# Altium PCB OLD_DIOT_temperature_logger.PcbDoc (part 1 of 6)
Units mm, origin at the board's own origin, x right, y up, seen from the top; angles counter-clockwise.
Board outline 222.54 x 100 mm, 4 copper layers (TOP, MID1, MID2, BOT), stack 1.55 mm thick; 631 components, 598 nets, 2471 pads, 1426 vias.
Unrouted connection lines stored in the file: 306.
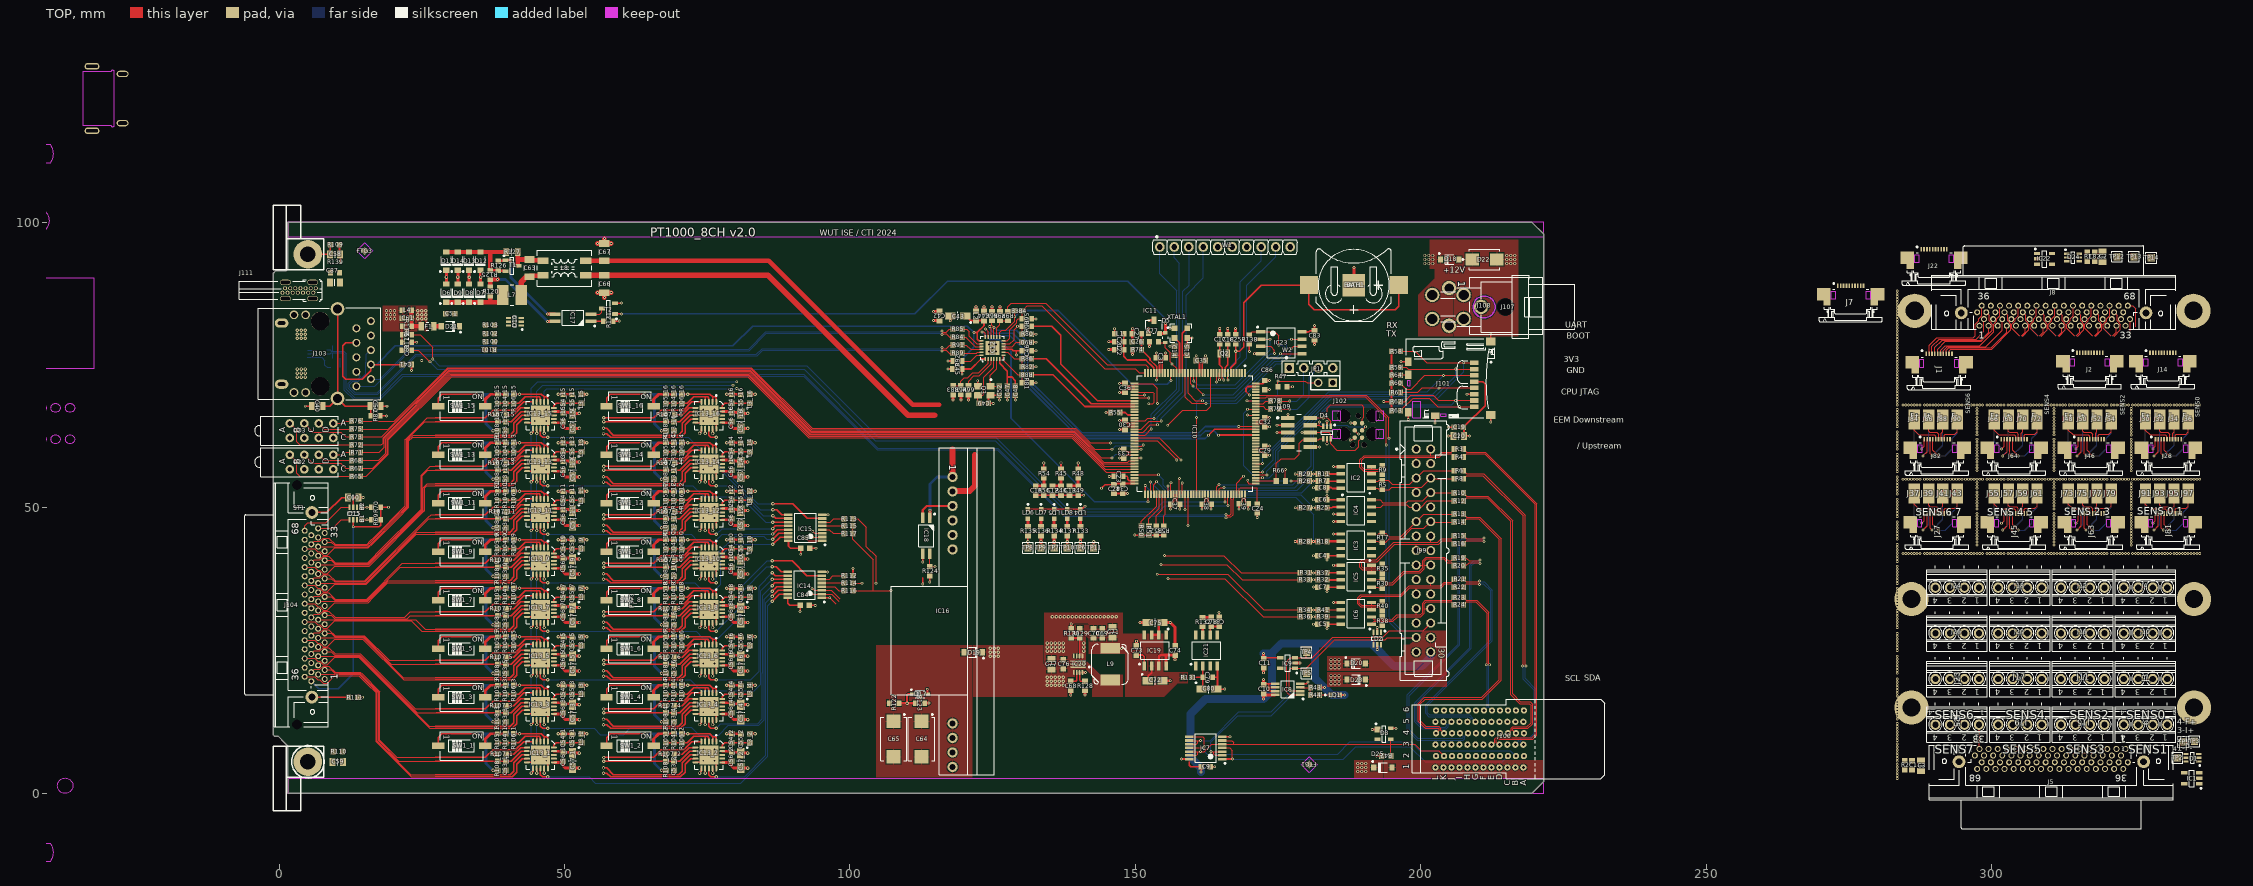
[diagram p0: TOP view]
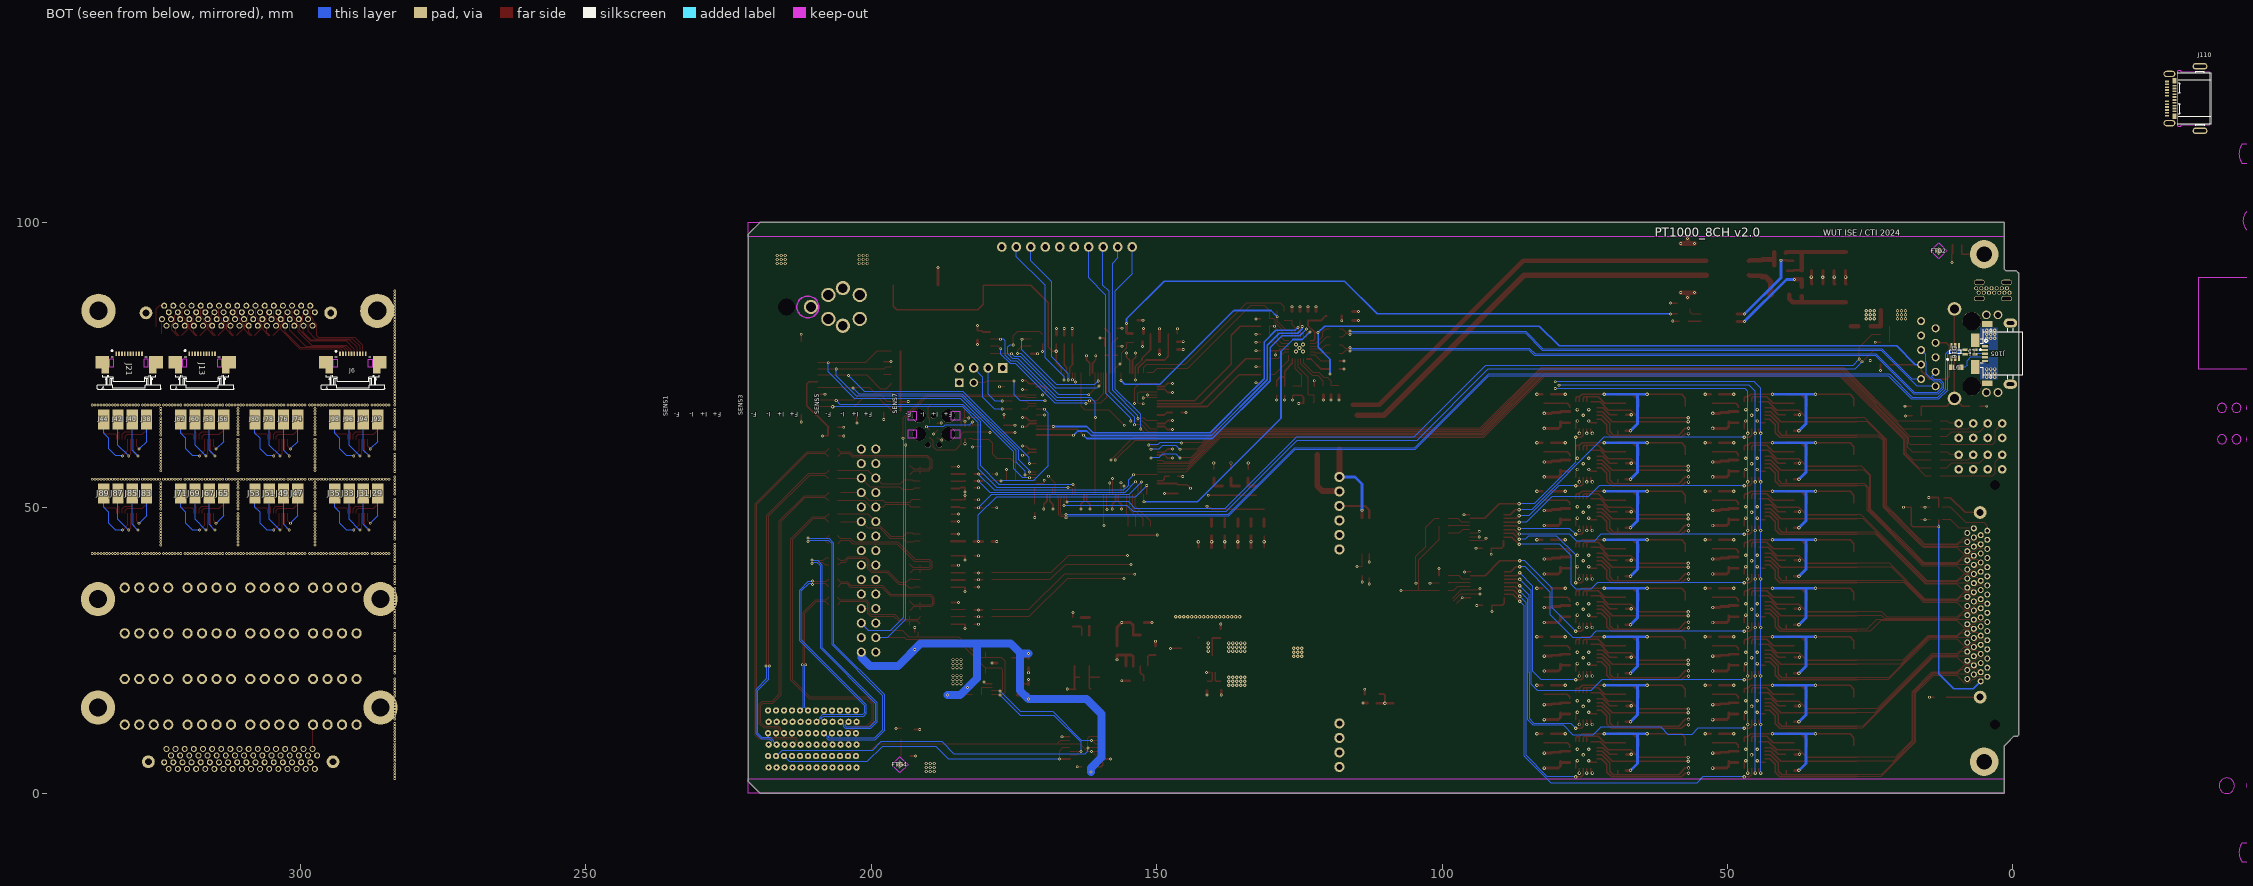
[diagram p1: BOT view, seen from below]
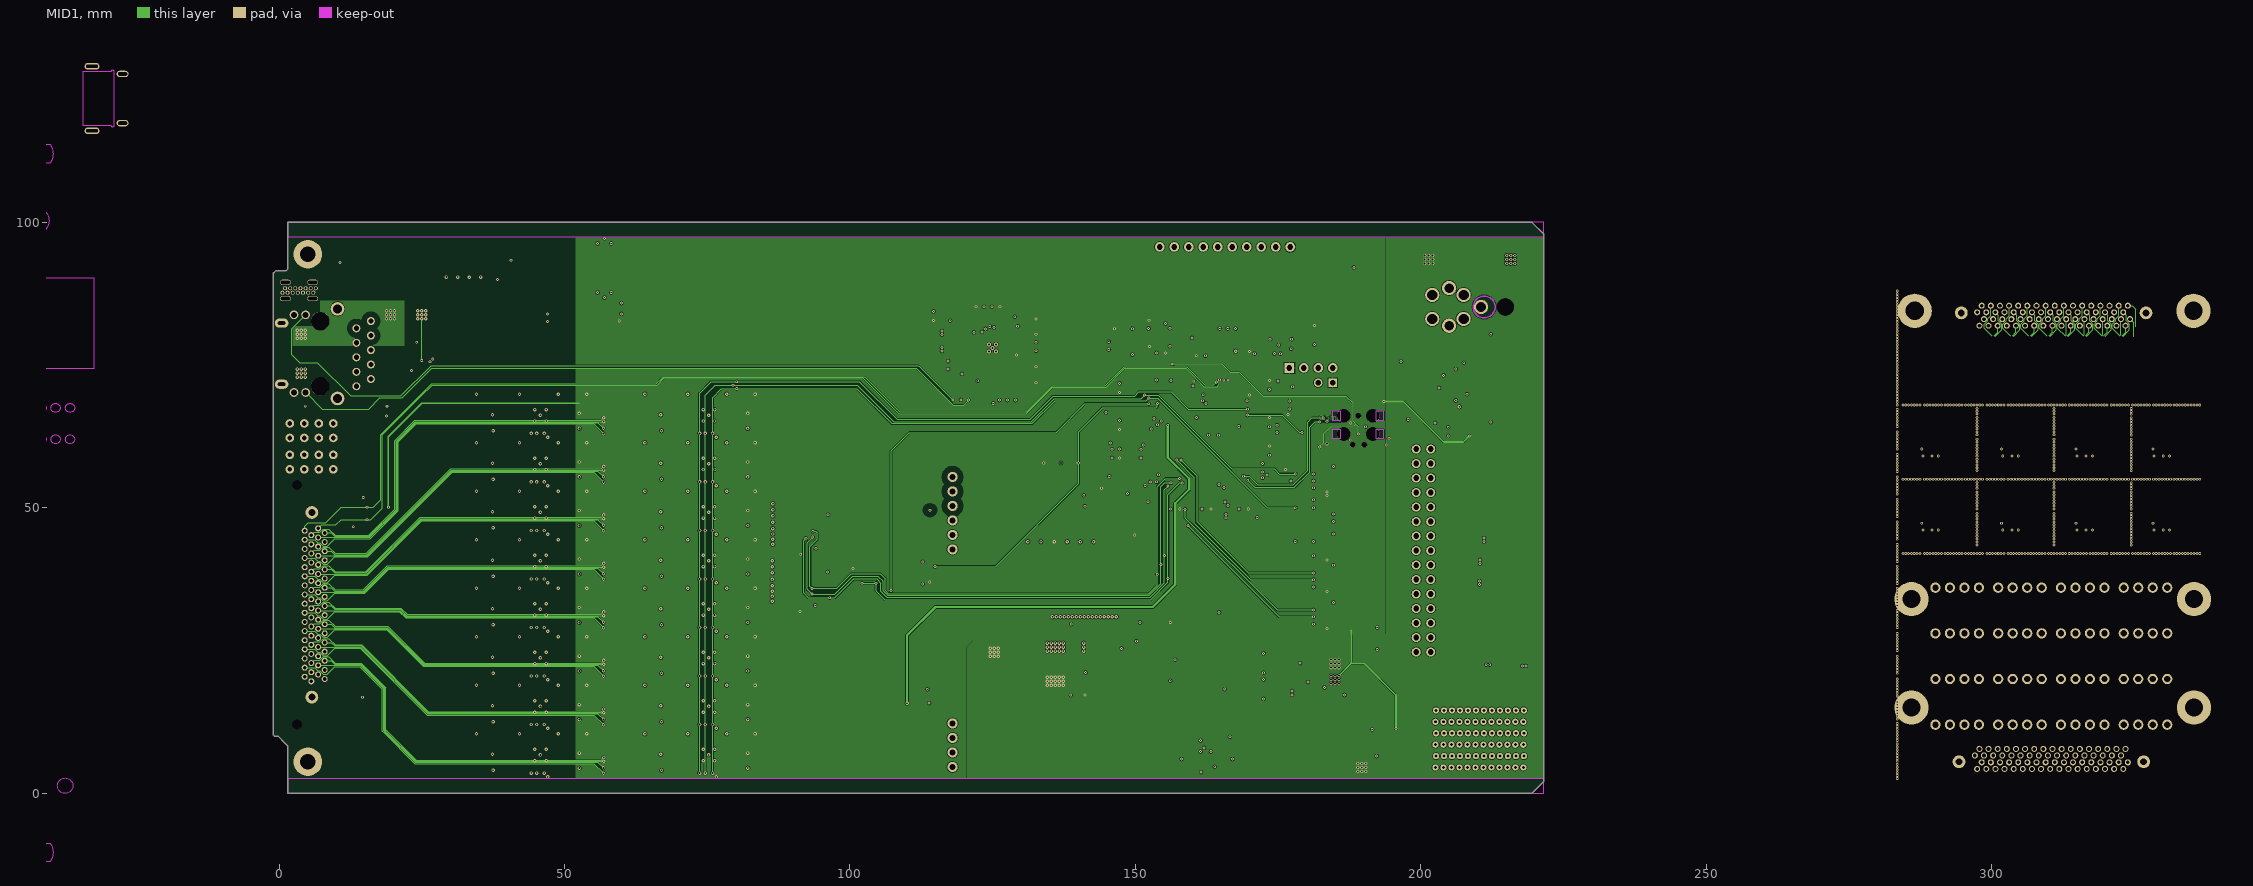
[diagram p2: MID1]
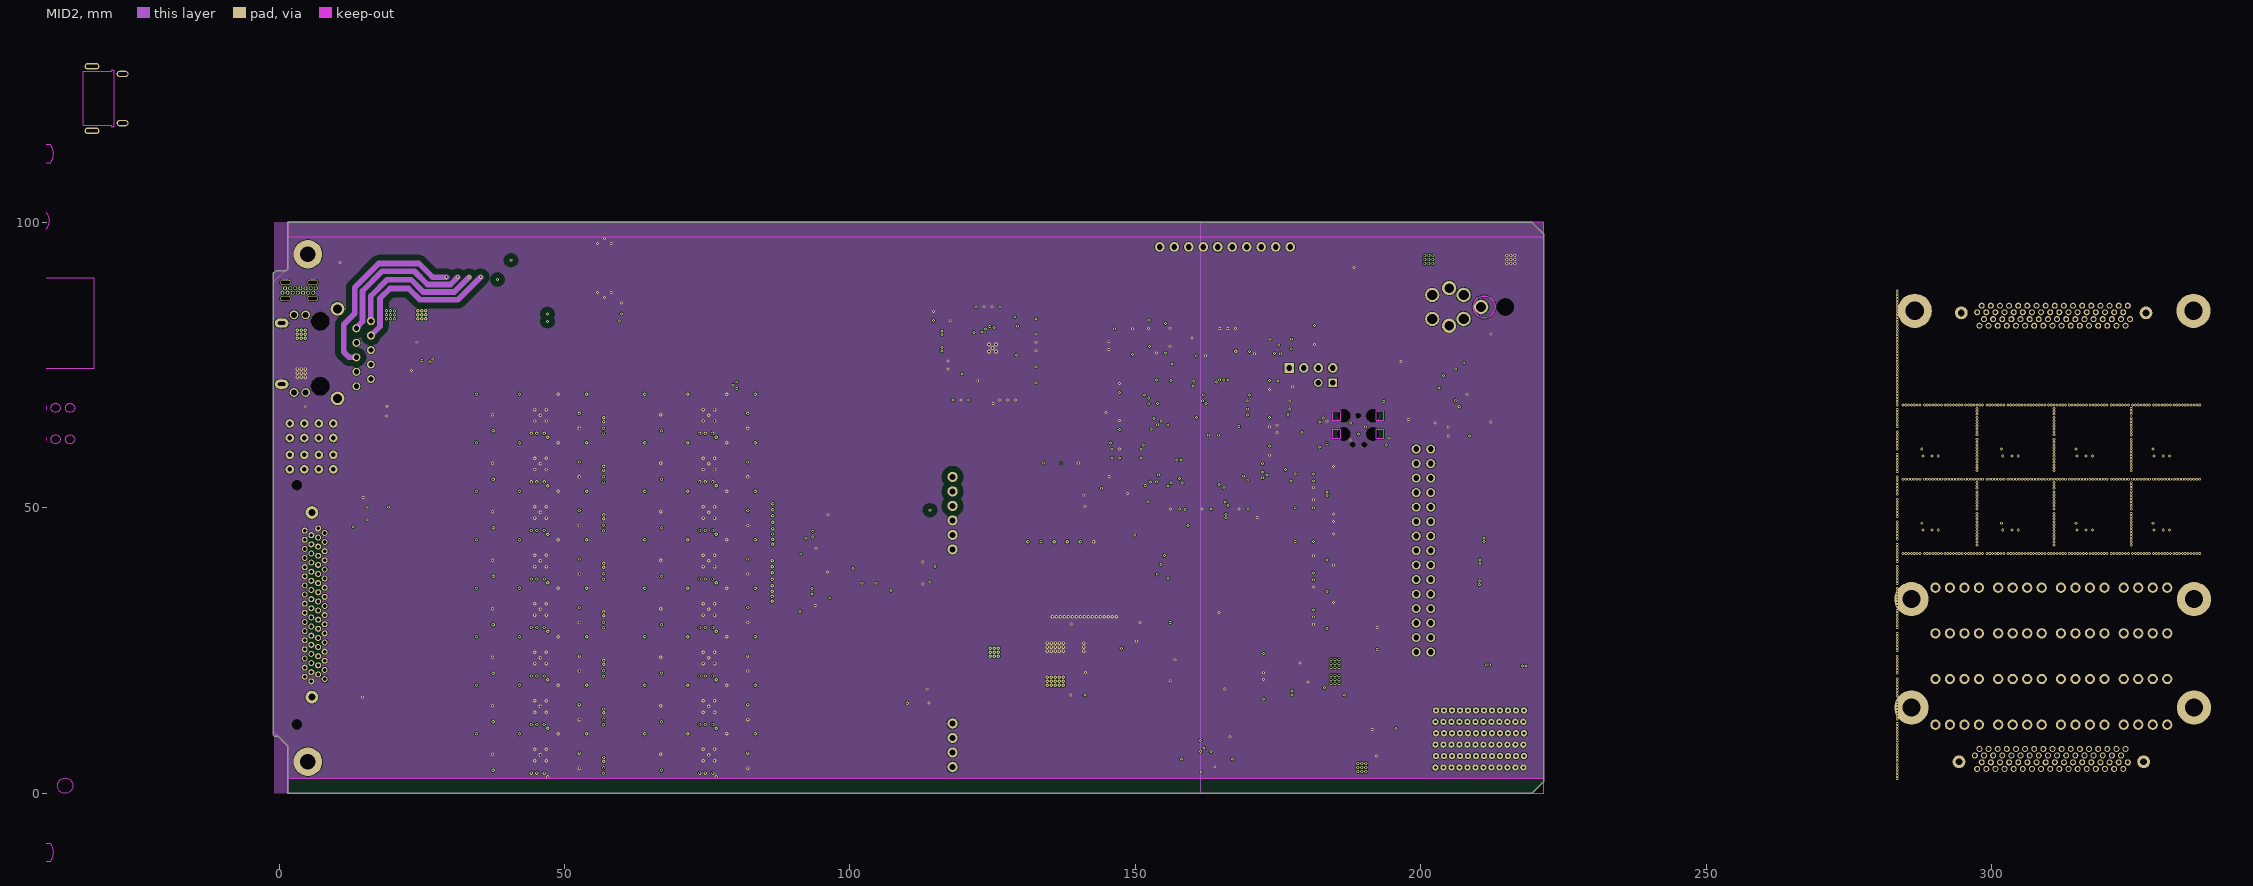
[diagram p3: MID2]

## Layer stack, top to bottom
TopSolder: solder mask 0.01, Solder Resist, Dk 3.5
TOP: signal copper 0.035
Dielectric1: prepreg 0.18, FR-4, Dk 4.8
MID1: signal copper 0.035
Dielectric2: core 1.05, Core-042, Dk 4.6
MID2: signal copper 0.035
Dielectric3: prepreg 0.18, FR-4, Dk 4.8
BOT: signal copper 0.035
BottomSolder: solder mask 0.01, Solder Resist, Dk 3.5

## Board outline
-1,10.2 -1,91.1 -0.6,91.5 1.2,91.5 1.5,91.8 1.5,100 219.539,100 221.539,98 221.539,2 219.539,0 1.5,0 1.5,8.3 1.1,8.7 -0.2,10 -0.8,10
cut-out: -49.69,77.83 cw(c-49.69,79.13) -50.99,79.13 -50.99,85.47 cw(c-49.69,85.47) -49.69,86.77 -47.7,86.77 -47.7,77.83
cut-out: -42.54,98.062 cw(c-42.54,100.312) -44.79,100.312 cw(c-42.54,100.312) -42.54,102.562 cw(c-42.54,100.312) -40.29,100.312 cw(c-42.54,100.312)
cut-out: -44.995,110.362 cw(c-42.55,112.012) -44.995,113.662 -40.105,113.662 cw(c-42.55,112.012) -40.105,110.362
cut-out: -44.24,61.2 cw(c-44.24,62) -45.04,62 cw(c-44.24,62) -44.24,62.8 cw(c-44.24,62) -43.44,62 cw(c-44.24,62)
cut-out: -41.7,61.2 cw(c-41.7,62) -42.5,62 cw(c-41.7,62) -41.7,62.8 cw(c-41.7,62) -40.9,62 cw(c-41.7,62)
cut-out: -39.16,61.2 cw(c-39.16,62) -39.96,62 cw(c-39.16,62) -39.16,62.8 cw(c-39.16,62) -38.36,62 cw(c-39.16,62)
cut-out: -36.62,61.2 cw(c-36.62,62) -37.42,62 cw(c-36.62,62) -36.62,62.8 cw(c-36.62,62) -35.82,62 cw(c-36.62,62)
cut-out: -44.24,66.7 cw(c-44.24,67.5) -45.04,67.5 cw(c-44.24,67.5) -44.24,68.3 cw(c-44.24,67.5) -43.44,67.5 cw(c-44.24,67.5)
cut-out: -41.7,66.7 cw(c-41.7,67.5) -42.5,67.5 cw(c-41.7,67.5) -41.7,68.3 cw(c-41.7,67.5) -40.9,67.5 cw(c-41.7,67.5)
cut-out: -39.16,66.7 cw(c-39.16,67.5) -39.96,67.5 cw(c-39.16,67.5) -39.16,68.3 cw(c-39.16,67.5) -38.36,67.5 cw(c-39.16,67.5)
cut-out: -36.62,66.7 cw(c-36.62,67.5) -37.42,67.5 cw(c-36.62,67.5) -36.62,68.3 cw(c-36.62,67.5) -35.82,67.5 cw(c-36.62,67.5)
cut-out: -43.694,1.312 ccw(c-42.344,1.312) -42.344,-0.038 ccw(c-42.344,1.312) -40.994,1.312 ccw(c-42.344,1.312) -42.344,2.662 ccw(c-42.344,1.312)
cut-out: -44.995,-12.038 cw(c-42.55,-10.388) -44.995,-8.738 -40.105,-8.738 cw(c-42.55,-10.388) -40.105,-12.038
cut-out: -37.47,-0.038 cw(c-37.47,1.312) -38.82,1.312 cw(c-37.47,1.312) -37.47,2.662 cw(c-37.47,1.312) -36.12,1.312 cw(c-37.47,1.312)
cut-out: -47.63,-0.038 cw(c-47.63,1.312) -48.98,1.312 cw(c-47.63,1.312) -47.63,2.662 cw(c-47.63,1.312) -46.28,1.312 cw(c-47.63,1.312)
cut-out: -46.094,74.337 -46.094,90.337 -32.494,90.337 -32.494,74.337

## Design rules (kind name [scope] priority, off if disabled: settings)
AcuteAngle [All] p1: minimum=6.00000000000000E+0001 checktracksonly=FALSE
Clearance Clearance_HV [InNetClass('HV') vs not InNetClass('HV')] p1: gap=1 ignorepadtopadclearanceinfootprint=FALSE
Clearance Clearance_balancing [InNamedPolygon('balancing')] p2: gap=1.27 ignorepadtopadclearanceinfootprint=FALSE except(0.635: Via-Via Via-Fill Via-Poly Via-Region Via-Text Via-Hole)
Clearance Clearance_DIFF [(InDifferentialPairClass('All Differential Pairs')and IsTrack ) vs (InDifferentialPairClass('All Differential Pairs') and IsTrack  )] p3 off: gap=0.508 ignorepadtopadclearanceinfootprint=FALSE except(0: Arc-Hole Track-Hole SMDPad-Hole THPad-Hole Via-Hole Fill-Hole Poly-Hole Region-Hole Text-Hole; 0.127: SMDPad-SMDPad SMDPad-THPad SMDPad-Via SMDPad-Fill SMDPad-Poly SMDPad-Region SMDPad-Text THPad-THPad THPad-Via THPad-Fill THPad-Poly THPad-Region THPad-Text Via-Via Via-Fill Via-Poly Via-Region Via-Text)
Clearance [All] p4: gap=0.102 ignorepadtopadclearanceinfootprint=FALSE except(0: Arc-Hole Track-Hole SMDPad-Hole THPad-Hole Via-Hole Fill-Hole Poly-Hole Region-Hole Text-Hole)
ComponentClearance [All] p1: gap=0 collisioncheckmode=3 verticalgap=0 showdistances=FALSE
DiffPairsRouting [All] p1: maxlimit=0.152 minlimit=0.127 mostfreqgap=0.152 toplayer_minwidth=0.127 toplayer_maxwidth=0.17 toplayer_prefwidth=0.152 midlayer1_minwidth=0.127 midlayer1_maxwidth=0.152 midlayer1_prefwidth=0.152 midlayer2_minwidth=0.127 midlayer2_maxwidth=0.152 midlayer2_prefwidth=0.152 bottomlayer_minwidth=0.127 bottomlayer_maxwidth=0.17 bottomlayer_prefwidth=0.152 maxuncoupledlength=12.7
FabricationTestPointUsage TestPointUsage [All] p1: valid=0 allowmultiple=FALSE
FabricationTestpoint Testpoint [All] p1: side=3 testpointundercomponent=TRUE minsize=1.016 maxsize=2.54 preferedsize=1.524 minholesize=0.508 maxholesize=1.016 preferedholesize=0.813 testpointgrid=0.025 allowsidetop=TRUE allowsidebottom=TRUE usegrid=TRUE gridtolerance=0
Height [All] p1: minheight=0 maxheight=40 prefheight=40
HoleSize [All] p1: absolutevalues=TRUE maxlimit=3.81 minlimit=0.025 maxpercent=80.000 minpercent=20.000
HoleToHoleClearance [All] p1: gap=0.025 allowstackedmicrovias=TRUE
MatchedLengths "Schematic Matched Net Lengths_3" [InNet('PHY_TD_P')] p1: tolerance=2.54 checknetsindiffpair=TRUE checkdiffpairvsdiffpair=FALSE checkxsignals=FALSE checkothers=FALSE
MatchedLengths "Schematic Matched Net Lengths_2" [InNet('PHY_RD_P')] p2: tolerance=2.54 checknetsindiffpair=TRUE checkdiffpairvsdiffpair=FALSE checkxsignals=FALSE checkothers=FALSE
MatchedLengths "Schematic Matched Net Lengths_1" [InNet('PHY_TD_N')] p3: tolerance=2.54 checknetsindiffpair=TRUE checkdiffpairvsdiffpair=FALSE checkxsignals=FALSE checkothers=FALSE
MatchedLengths "Schematic Matched Net Lengths" [InNet('PHY_RD_N')] p4: tolerance=2.54 checknetsindiffpair=TRUE checkdiffpairvsdiffpair=FALSE checkxsignals=FALSE checkothers=FALSE
MinimumSolderMaskSliver [All] p1: minsoldermaskwidth=0
PlaneClearance PlaneClearance_HV [InNetClass('HV')] p1: clearance=1
PlaneClearance [All] p2: clearance=0.2
PlaneConnect [All] p1: pad.planeconnectstyle=Relief pad.reliefexpansion=0.254 pad.reliefentries=4 pad.reliefconductorwidth=0.254 pad.reliefairgap=0.152 via.planeconnectstyle=Direct via.reliefexpansion=0.508 via.reliefentries=4 via.reliefconductorwidth=0.254 via.reliefairgap=0.254
PolygonConnect PowerPolygon [All vs HasFootprint('TEXAS_RGX0011A')] p1: connectstyle=Direct reliefconductorwidth=0.254 reliefentries=4 polygonreliefangle="90 Angle" airgapwidth=0.254
PolygonConnect PowerPolygon_1 [All vs HasFootprint('IND_TDK_SPM6530')] p2: connectstyle=Direct reliefconductorwidth=0.254 reliefentries=4 polygonreliefangle="90 Angle" airgapwidth=0.254
PolygonConnect PolygonConnect_Power [InComponent('C155') or InComponent('C156') or  InComponent('C157') or  InComponent('C158') or InComponent('C163') or InComponent('C164')  or InComponent('C165')or InComponent('C167') or InComponent('L2_1')  or InComponent('L2_2') or InComponent('L2_3') or InComponent('L2_4')    or InComponent('L4_1')  or InComponent('L4_2') or InComponent('L4_3') or InComponent('L4_4')] p3: connectstyle=Relief reliefconductorwidth=0.4 reliefentries=4 polygonreliefangle="90 Angle" airgapwidth=0.254
PolygonConnect PolygonConnect_BGA [HasFootprint('LGA25C127P5X5_625X625X192')] p4: connectstyle=Direct reliefconductorwidth=0.254 reliefentries=4 polygonreliefangle="90 Angle" airgapwidth=0.254
PolygonConnect PolygonConnect_pad [All] p5: thpad.connectstyle=Relief thpad.reliefconductorwidth=0.254 thpad.reliefentries=4 thpad.polygonreliefangle="90 Angle" thpad.airgapwidth=0.152 smdpad.connectstyle=Relief smdpad.reliefconductorwidth=0.254 smdpad.reliefentries=4 smdpad.polygonreliefangle="90 Angle" smdpad.airgapwidth=0.152 via.connectstyle=Direct via.reliefconductorwidth=0.254 via.reliefentries=4 via.polygonreliefangle="90 Angle" via.airgapwidth=0.152
RoomDefinition RTD_00 [InComponentClass('RTD_00')] p1: confinementstyle=ConfineIn formatcopy=TRUE lockcomponents=FALSE outline 26.5,2.5 55,2.5 55,11 26.5,11
RoomDefinition RTD_02 [InComponentClass('RTD_02')] p2: confinementstyle=ConfineIn formatcopy=TRUE lockcomponents=FALSE outline 26.5,11 55,11 55,19.5 26.5,19.5
RoomDefinition RTD_09 [InComponentClass('RTD_09')] p3: confinementstyle=ConfineIn formatcopy=TRUE lockcomponents=FALSE outline 56,36.5 84.5,36.5 84.5,45 56,45
RoomDefinition RTD_10 [InComponentClass('RTD_10')] p4: confinementstyle=ConfineIn formatcopy=TRUE lockcomponents=FALSE outline 26.5,45 55,45 55,53.5 26.5,53.5
RoomDefinition RTD_08 [InComponentClass('RTD_08')] p5: confinementstyle=ConfineIn formatcopy=TRUE lockcomponents=FALSE outline 26.5,36.5 55,36.5 55,45 26.5,45
RoomDefinition RTD_11 [InComponentClass('RTD_11')] p6: confinementstyle=ConfineIn formatcopy=TRUE lockcomponents=FALSE outline 56,45 84.5,45 84.5,53.5 56,53.5
RoomDefinition RTD_12 [InComponentClass('RTD_12')] p7: confinementstyle=ConfineIn formatcopy=TRUE lockcomponents=FALSE outline 26.5,53.5 55,53.5 55,62 26.5,62
RoomDefinition RTD_14 [InComponentClass('RTD_14')] p8: confinementstyle=ConfineIn formatcopy=TRUE lockcomponents=FALSE outline 26.5,62 55,62 55,70.5 26.5,70.5
RoomDefinition RTD_13 [InComponentClass('RTD_13')] p9: confinementstyle=ConfineIn formatcopy=TRUE lockcomponents=FALSE outline 56,53.5 84.5,53.5 84.5,62 56,62
RoomDefinition RTD_15 [InComponentClass('RTD_15')] p10: confinementstyle=ConfineIn formatcopy=TRUE lockcomponents=FALSE outline 56,62 84.5,62 84.5,70.5 56,70.5
RoomDefinition RTD_04 [InComponentClass('RTD_04')] p11: confinementstyle=ConfineIn formatcopy=TRUE lockcomponents=FALSE outline 26.5,19.5 55,19.5 55,28 26.5,28
RoomDefinition RTD_01 [InComponentClass('RTD_01')] p12: confinementstyle=ConfineIn formatcopy=TRUE lockcomponents=FALSE outline 56,2.5 84.5,2.5 84.5,11 56,11
RoomDefinition RTD_06 [InComponentClass('RTD_06')] p13: confinementstyle=ConfineIn formatcopy=TRUE lockcomponents=FALSE outline 26.5,28 55,28 55,36.5 26.5,36.5
RoomDefinition RTD_05 [InComponentClass('RTD_05')] p14: confinementstyle=ConfineIn formatcopy=TRUE lockcomponents=FALSE outline 56,19.5 84.5,19.5 84.5,28 56,28
RoomDefinition RTD_07 [InComponentClass('RTD_07')] p15: confinementstyle=ConfineIn formatcopy=TRUE lockcomponents=FALSE outline 56,28 84.5,28 84.5,36.5 56,36.5
RoomDefinition RTD_03 [InComponentClass('RTD_03')] p16: confinementstyle=ConfineIn formatcopy=TRUE lockcomponents=FALSE outline 56,11 84.5,11 84.5,19.5 56,19.5
RoutingVias RoutingVias_HPOW [InNetClass('HPOW')] p1: holewidth=0.711 width=1.27 viastyle="Through Hole" minholewidth=0.711 minwidth=1.27 maxholewidth=0.711 maxwidth=1.27 useviatemplates=TRUE viatemplateguid#1={C4BC9E51-A50C-4827-9BB3-4603308538B4} viatemplateguid#2={B5D767B0-96F0-490E-9621-DF468C9DD5C8} viatemplatename#1=v50h20m0mx0 viatemplatename#2=v66h33m0mx0
RoutingVias [All] p2: holewidth=0.2 width=0.5 viastyle="Through Hole" minholewidth=0.2 minwidth=0.5 maxholewidth=1 maxwidth=2 viatemplateguid#1={C4BC9E51-A50C-4827-9BB3-4603308538B4} viatemplateguid#2={A86ABFB5-DEF7-4A39-8B53-0CFF0DEED7D0} viatemplateguid#3={B5D767B0-96F0-490E-9621-DF468C9DD5C8} viatemplateguid#4={CC3703E4-4F4D-4ECC-8BAE-5075FE03B580} viatemplatename#1=v50h20m0mx0 viatemplatename#2=v60h30 viatemplatename#3=v66h33m0mx0 viatemplatename#4=v70h40m0mx0
SilkToSilkClearance [All] p1: silktosilkclearance=0
SilkToSolderMaskClearance SilkscreenOverComponentPads [IsPad] p1: minsilkscreentomaskgap=0 clearancetoexposedcopper=TRUE
SolderMaskExpansion [All] p1: expansion=0.015 istentingtop=FALSE
SupplyNets "Schematic Supply Nets_15" [InNet('VBUS')] p1: voltage=0.000
SupplyNets "Schematic Supply Nets" [InNet('P12V0_DIOT')] p2: voltage=0.000
SupplyNets "Schematic Supply Nets_14" [InNet('P3V3_EXP2')] p3: voltage=0.000
SupplyNets "Schematic Supply Nets_13" [InNet('P3V3_EXP1')] p4: voltage=0.000
SupplyNets "Schematic Supply Nets_6" [InNet('P3V9')] p5: voltage=0.000
SupplyNets "Schematic Supply Nets_7" [InNet('VIN')] p6: voltage=0.000
SupplyNets "Schematic Supply Nets_9" [InNet('P12V0_POE')] p7: voltage=0.000
SupplyNets "Schematic Supply Nets_1" [InNet('5V0_USB')] p8: voltage=0.000
SupplyNets "Schematic Supply Nets_12" [InNet('GND')] p9: voltage=0.000
SupplyNets "Schematic Supply Nets_11" [InNet('P12V0_IN')] p10: voltage=0.000
SupplyNets "Schematic Supply Nets_10" [InNet('P12V0')] p11: voltage=0.000
SupplyNets "Schematic Supply Nets_8" [InNet('P3V3')] p12: voltage=0.000
SupplyNets "Schematic Supply Nets_5" [InNet('P12V0_EEM')] p13: voltage=0.000
SupplyNets "Schematic Supply Nets_4" [InNet('P3V3_MP')] p14: voltage=0.000
SupplyNets "Schematic Supply Nets_3" [InNet('AVDDT_PHY')] p15: voltage=0.000
SupplyNets "Schematic Supply Nets_2" [InNet('P3V0REF')] p16: voltage=0.000
ViasUnderSMD ViasUnderSMD_QFN [HasFootprint('TSSOP28-EP')  or InComponent('IC11') or InComponent('IC18')  or InComponent('IC15') or InComponent('S1') or InComponent('S2') or InComponent('S3') or InComponent('S4')] p1: allowed=TRUE
ViasUnderSMD [All] p2: allowed=FALSE
Width RMII_50ohm [InNetClass('RMII')] p1: maxlimit=3 minlimit=0.196 preferedwidth=2.334 toplayer_minwidth=0.29 toplayer_maxwidth=0.29 toplayer_prefwidth=0.29 midlayer1_prefwidth=0.207 midlayer2_maxwidth=0.196 midlayer2_prefwidth=0.196 bottomlayer_minwidth=0.29 impedanceprofiledriven=TRUE impedanceprofileid={95436CA8-0AF9-48FC-8836-A3859236161A} impedanceprofilevalue=50.000000 minimp=50.000000 maximp=50.000000 favimp=50.000000
Width Width_HPOW [InNetClass('HPOW')] p2: maxlimit=4 minlimit=0.254 preferedwidth=0.5
Width [All] p3: maxlimit=2 minlimit=0.1 preferedwidth=0.2 checkconnectedcopper=TRUE
18 further rules are at their usual default settings.
